# Altium PCB qfuse_PCB.PcbDoc (part 1 of 2) (continued)
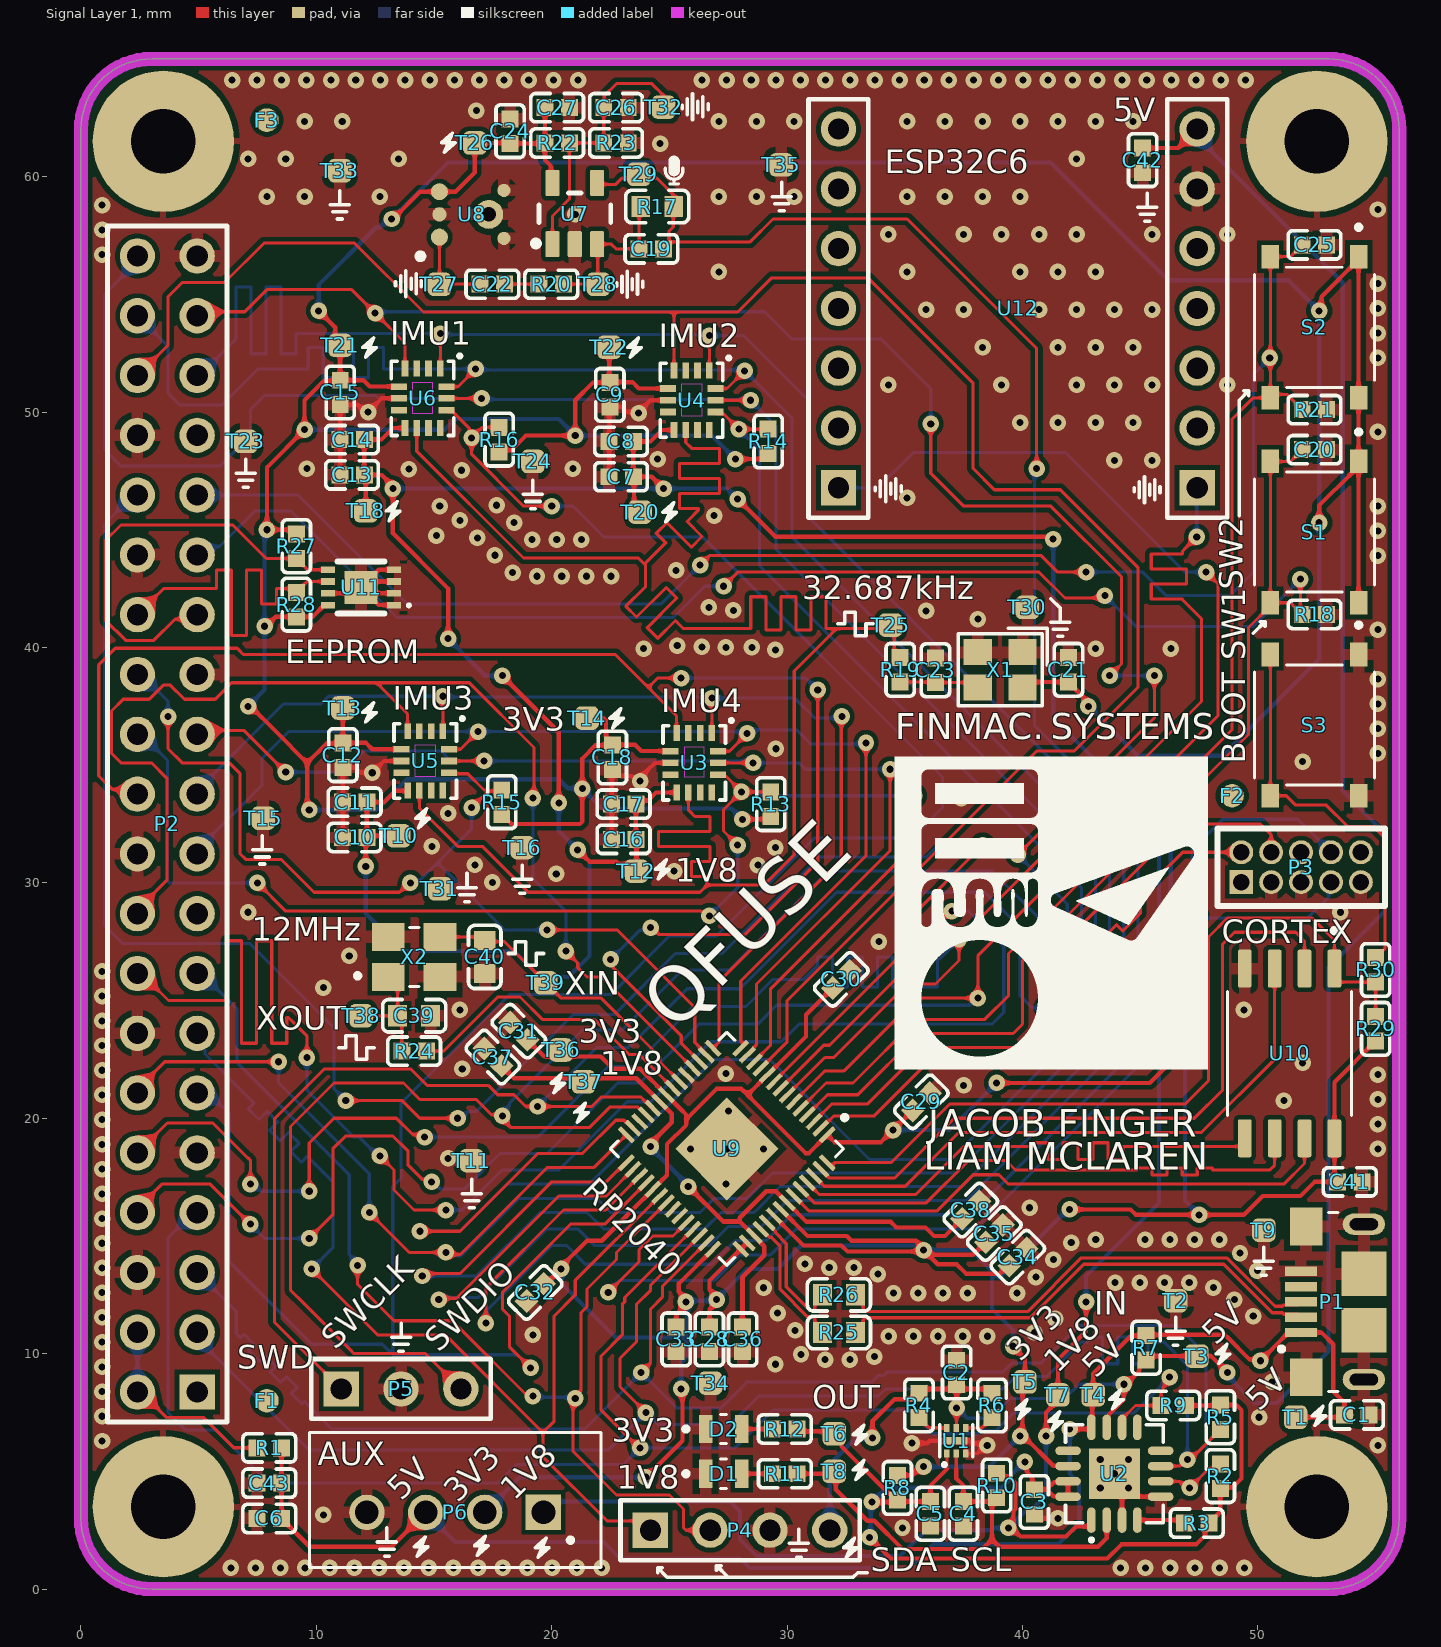
[diagram p0: Signal Layer 1 view]
## Components (designator, comment, footprint, x,y, rotation, side; value= is the part's Value field where it differs from the comment)
C1 "CL05A106MQ5NUNC" CAP-0402 54.2,7.4 r180 top value=10µF
C2 "CL05A105KA5NQNC" CAP-0402 37.2,9.2 r270 top value=1µF
C3 "CL05B104KB54PNC" CAP-0402 40.5,3.7 r90 top value=100nF
C4 "CL05A105KA5NQNC" CAP-0402 37.484,3.2 r90 top value=1µF
C5 "CL05A105KA5NQNC" CAP-0402 36.084,3.2 r90 top value=1µF
C6 "CL05A225MQ5NSNC" CAP-0402 8,3 r0 top value=2.2µF
C7 "CL05A225MQ5NSNC" CAP-0402 22.944,47.25 r0 top value=2.2µF
C8 "CL05B104KB54PNC" CAP-0402 22.944,48.75 r0 top value=100nF
C9 "CL05B103KB5NNNC" CAP-0402 22.467,50.73 r90 top value=10nF
C10 "CL05A225MQ5NSNC" CAP-0402 11.627,31.927 r0 top value=2.2µF
C11 "CL05B104KB54PNC" CAP-0402 11.627,33.427 r0 top value=100nF
C12 "CL05B103KB5NNNC" CAP-0402 11.127,35.427 r90 top value=10nF
C13 "CL05A225MQ5NSNC" CAP-0402 11.517,47.33 r0 top value=2.2µF
C14 "CL05B104KB54PNC" CAP-0402 11.517,48.83 r0 top value=100nF
C15 "CL05B103KB5NNNC" CAP-0402 11.017,50.83 r90 top value=10nF
C16 "CL05A225MQ5NSNC" CAP-0402 23.054,31.846 r0 top value=2.2µF
C17 "CL05B104KB54PNC" CAP-0402 23.054,33.346 r0 top value=100nF
C18 "CL05B103KB5NNNC" CAP-0402 22.577,35.327 r90 top value=10nF
C19 "0402CG330J500NT" CAP-0402 24.23,56.93 r0 top value=33pF
C20 "CL05B104KO5NNNC" CAP-0402 52.4,48.4 r180 top value=100nF
C21 "CL05B103KB5NNNC" CAP-0402 41.95,39.05 r270 top value=10nF
C22 "CL05A106MQ5NUNC" CAP-0402 17.48,55.43 r0 top value=10µF
C23 "CL05C100JB5NNNC" CAP-0402 36.3,39.03 r270 top value=10pF
C24 "CL05B104KB54PNC" CAP-0402 18.23,61.93 r270 top value=100nF
C25 "CL05B104KO5NNNC" CAP-0402 52.4,57.1 r180 top value=100nF
C26 "CL05A225MQ5NSNC" CAP-0402 22.73,62.93 r180 top value=2.2µF
C27 "CL05B104KB54PNC" CAP-0402 20.23,62.93 r180 top value=100nF
C28 "CL05A105KA5NQNC" CAP-0402 26.697,10.607 r90 top value=1µF
C29 "CL05B104KB54PNC" CAP-0402 35.7,20.7 r225 top value=100nF
C30 "CL05B104KB54PNC" CAP-0402 32.3,25.9 r225 top value=100nF
C31 "CL05B104KB54PNC" CAP-0402 18.6,23.7 r315 top value=100nF
C32 "CL05B104KB54PNC" CAP-0402 19.3,12.6 r45 top value=100nF
C33 "CL05B104KB54PNC" CAP-0402 25.283,10.607 r90 top value=100nF
C34 "CL05B104KB54PNC" CAP-0402 39.8,14.1 r225 top value=100nF
C35 "CL05B104KB54PNC" CAP-0402 38.8,15.1 r225 top value=100nF
C36 "CL05A105KA5NQNC" CAP-0402 28.111,10.607 r270 top value=1µF
C37 "CL05B104KB54PNC" CAP-0402 17.5,22.6 r315 top value=100nF
C38 "CL05B104KB54PNC" CAP-0402 37.8,16.1 r225 top value=100nF
C39 "0603CG300J500NT" CAP-0603 14.155,24.352 r180 top value=30pF
C40 "0603CG300J500NT" CAP-0603 17.155,26.852 r90 top value=30pF
C41 "CL05B104KB54PNC" CAP-0402 53.9,17.3 r180 top value=100nF
C42 "CL05A105KA5NQNC" CAP-0402 45.1,60.7 r90 top value=1µF
C43 "CL05A106MQ5NUNC" CAP-0402 8,4.5 r0 top value=10µF
D1 "0805 Red" NCD0805R1 27.3,4.9 r0 top
D2 "0805 WHT" LED_KT-0805G 27.3,6.8 r0 top
F1 "Fiducial Pad" Fiducial#1 7.9,8 r0 top
F2 "Fiducial Pad" Fiducial#2 48.9,33.7 r0 top
F3 "Fiducial Pad" Fiducial#3 7.9,62.4 r0 top
P1 "10118193-0001LF" FCI_10118193-0001LF 54.5,12.2 r90 top
P2 "Header 2X20" HDR2X20 3.67,29.96 r90 top locked
P3 "Header 1.27mm 2x5 PTH" "Header 1.27mm 2x5 PTH" 51.83,30.665 r0 top
P4 "Header 4" HDR1X4 28,2.5 r0 top
P5 "Header 3" HDR1X3 11.06,8.5 r0 top locked
P6 "JST B4B-XH-A" JST_B4B-XH-A 15.9,3.783 r0 top locked
R1 "0402WGF0000TCE" RES-0402 8,6 r0 top value=0
R2 "0402WGF1002TCE" RES-0402 48.4,4.8 r270 top value=10k
R3 "0402WGF0000TCE" RES-0402 47.4,2.8 r180 top value=0
R4 "0402WGF1002TCE" RES-0402 35.6,7.8 r270 top value=10k
R5 "0402WGF1002TCE" RES-0402 48.4,7.3 r90 top value=10k
R6 "0402WGF1002TCE" RES-0402 38.7,7.8 r270 top value=10k
R7 "0402WGF100KTCE" RES-0402 45.25,10.25 r270 top value=1
R8 "0402WGF100KTCE" RES-0402 34.684,4.3 r90 top value=1
R9 "0402WGF1002TCE" RES-0402 46.4,7.8 r0 top value=10k
R10 "0402WGF100KTCE" RES-0402 38.9,4.4 r90 top value=1
R11 "0402WGF3300TCE" RES-0402 29.9,4.9 r180 top value=330
R12 "0402WGF6800TCE" RES-0402 29.9,6.8 r0 top value=680
R13 "0402WGF5102TCE" RES-0402 29.304,33.346 r270 top value=51k
R14 "0402WGF5102TCE" RES-0402 29.194,48.75 r270 top value=51k
R15 "0402WGF5102TCE" RES-0402 17.877,33.427 r270 top value=51k
R16 "0402WGF5102TCE" RES-0402 17.767,48.83 r270 top value=51k
R17 "0603WAF2203T5E" RES-0603 24.48,58.73 r0 top value=220k
R18 "0402WGF1003TCE" RES-0402 52.4,41.4 r180 top value=100k
R19 "0402WGF220JTCE" RES-0402 34.8,39.05 r90 top value=22
R20 "0402WGF3301TCE" RES-0402 19.98,55.43 r0 top value=3.3k
R21 "0402WGF1003TCE" RES-0402 52.4,50.1 r180 top value=100k
R22 "0402WGF1003TCE" RES-0402 20.23,61.43 r180 top value=100k
R23 "0402WGF1003TCE" RES-0402 22.73,61.43 r180 top value=100k
R24 "0402WGF1001TCE" RES-0402 14.155,22.852 r180 top value=1k
R25 "0603WAF270JT5E" RES-0603 32.2,10.9 r180 top value=27
R26 "0603WAF270JT5E" RES-0603 32.2,12.5 r180 top value=27
R27 "0402WGF3901TCE" RES-0402 9.15,44.3 r90 top value=3.9k
R28 "0402WGF3901TCE" RES-0402 9.15,41.82 r270 top value=3.9k
R29 "0402WGF1002TCE" RES-0402 55,23.8 r270 top value=10k
R30 "0402WGF1001TCE" RES-0402 55,26.3 r270 top value=1k
S1 "TS-1187A-B-A-B" SW_TS-1187A-B-A-B 52.4,44.9 r270 top
S2 "TS-1187A-B-A-B" SW_TS-1187A-B-A-B 52.4,53.6 r270 top
S3 "TS-1187A-B-A-B" SW_TS-1187A-B-A-B 52.4,36.7 r270 top
T1 "TP" TestPoint 51.6,7.3 r270 top
T2 "TP" TestPoint 46.5,12.25 r180 top
T3 "TP" TestPoint 47.4,9.9 r180 top
T4 "TP" TestPoint 43,8.25 r180 top
T5 "TP" TestPoint 40.1,8.8 r180 top
T6 "TP" TestPoint 32,6.6 r180 top
T7 "TP" TestPoint 41.5,8.25 r180 top
T8 "TP" TestPoint 32,5 r180 top
T9 "TP" TestPoint 50.25,15.25 r0 top
T10 "TP" TestPoint 13.5,32 r270 top
T11 "TP" TestPoint 16.6,18.2 r90 top
T12 "TP" TestPoint 23.6,30.5 r270 top
T13 "TP" TestPoint 11.127,37.427 r270 top
T14 "TP" TestPoint 21.5,37 r270 top
T15 "TP" TestPoint 7.75,32.75 r270 top
T16 "TP" TestPoint 18.75,31.5 r90 top
T18 "TP" TestPoint 12.1,45.8 r270 top
T20 "TP" TestPoint 23.75,45.75 r270 top
T21 "TP" TestPoint 11.017,52.83 r270 top
T22 "TP" TestPoint 22.444,52.75 r270 top
T23 "TP" TestPoint 7,48.75 r270 top
T24 "TP" TestPoint 19.2,47.9 r90 top
T25 "TP" TestPoint 34.4,40.95 r180 top
T26 "TP" TestPoint 16.73,61.43 r90 top
T27 "TP" TestPoint 15.23,55.43 r90 top
T28 "TP" TestPoint 21.98,55.43 r90 top
T29 "TP" TestPoint 23.7,60.1 r90 top
T30 "TP" TestPoint 40.2,41.7 r180 top
T31 "TP" TestPoint 15.25,29.75 r90 top
T32 "TP" TestPoint 24.75,62.95 r90 top
T33 "TP" TestPoint 11,60.25 r90 top
T34 "TP" TestPoint 26.75,8.75 r90 top
T35 "TP" TestPoint 29.75,60.5 r90 top
T36 "TP" TestPoint 20.4,22.9 r0 top
T37 "TP" TestPoint 21.35,21.55 r0 top
T38 "TP" TestPoint 11.905,24.352 r0 top
T39 "TP" TestPoint 19.75,25.75 r0 top
U1 "TLV7163318PDPQR" XDFN-6_L1.2-W1.2-P0.40-BL-EP 37.184,6.3 r0 top
U2 "INA3221AIRGVR" QFN-16_L4.0-W4.0-P0.65-TL-EP2.2 43.9,4.9 r90 top
U3 "IMU IC" LGA-14_L3.0-W2.5-P0.50-TL 26.054,35.096 r270 top
U4 "IMU IC" LGA-14_L3.0-W2.5-P0.50-TL 25.944,50.5 r270 top
U5 "IMU IC" LGA-14_L3.0-W2.5-P0.50-TL 14.627,35.177 r270 top
U6 "IMU IC" LGA-14_L3.0-W2.5-P0.50-TL 14.517,50.58 r270 top
U7 "LMV321IDBVR" FP-DBV0005A-MFG 20.98,58.43 r90 top
U8 "S08OB383-031" Goertek_S08OB381-026 16.58,58.395 r90 top
U9 "RP2040" QFN40P700X700X90-57N 27.439,18.704 r135 top locked
U10 "W25Q128JVSIQ" SOIC127P790X216-8N 51.343,22.754 r180 top locked
U11 "M24C32-FMC6TG" M24C32-FMC6TG 11.9,42.55 r90 top
U12 "Seeed ESP32C6 Mini" "ESP32C6 Mini" 39.8,54.4 r0 top locked
X1 "OK252032.768KJBA4SL" OSC-SMD_4P-L2.5-W2.0-BL 39.05,39.05 r180 top value=32.768kHz
X2 "CMP-00002-4" X322512MSB4SI-Footprint-1 14.155,26.852 r0 top

## Footprints (in the part's own frame and the unit in brackets; to place one, negate y for a bottom-side part, rotate by r counter-clockwise, add the part's x,y. Pads: shape width x height; smd on the part's side, far side on the other; paste and mask are expansions set on the pad)
CAP-0402 [mm]
  rect 0.72x0.72 smd mask+0.051: 1(-0.52,0)
  rect 0.72x0.72 smd mask+0.05: 2(0.52,0)
  silkscreen extent -1.12,-0.6 1.12,0.6, body extent -0.55,-0.27 0.55,0.28, height 0.4
CAP-0603 [mm]
  rect 0.8x0.9 smd paste+0 mask+0.05: 1(-0.7,0) 2(0.7,0)
  silkscreen extent -1.34,-0.69 1.34,0.69, body extent -0.85,-0.45 0.85,0.45, height 0.9
"ESP32C6 Mini" [mm]
  round 1.5 hole 0.9: 0(-7.62,7.62) 1(-7.62,5.08) 2(-7.62,2.54) 3(-7.62,0) 4(-7.62,-2.54) 5(-7.62,-5.08) 8(7.62,-5.08) 9(7.62,-2.54) 10(7.62,0) 11(7.62,2.54) 12(7.62,5.08) 13(7.62,7.62)
  rect 1.5x1.5 hole 0.9: 6(-7.62,-7.62) 7(7.62,-7.62)
  silkscreen extent -8.89,-8.89 8.89,8.89, body extent -8.89,-10.41 8.89,12.07, height 12
FCI_10118193-0001LF [mm]
  rect 0.4x1.35 smd: 1(-1.3,2.675) 2(-0.65,2.675) 3(0,2.675) 4(0.65,2.675) 5(1.3,2.675)
  rect 1.6x1.4 smd: S1(-3.2,2.45) S2(3.2,2.45)
  rect 1.9x1.9 smd: S3(1.2,0) S4(-1.2,0)
  oval 0.9x1.8 hole 0.5 slot 1.2 at 90 deg: S5(-3.3,0) S6(3.3,0)
  silkscreen extent -3.8,1.1 3.8,3.6, body extent -3.93,-2.74 3.93,2.92, height 3.18
Fiducial#1 [mm]
  round 1 smd paste-2539.97 mask-2539.97: F1(0,0)
Fiducial#2 [mm]
  round 1 smd paste-2539.97 mask-2539.97: F3(0,0)
Fiducial#3 [mm]
  round 1 smd paste-2539.97 mask-2539.97: F2(0,0)
FP-DBV0005A-MFG [mm]
  rrect17% 1.1x0.6 smd paste+0: 1(-1.3,0.95) 2(-1.3,0) 3(-1.3,-0.95) 4(1.3,-0.95) 5(1.3,0.95)
  silkscreen extent -1.39,-1.53 0.87,1.78, body extent -1.95,-1.78 1.95,1.78, height 0.25
Goertek_S08OB381-026 [mm] "Goertek S08OB381-026 SMD package"
  round 0.72 smd: 1(-0.965,1.35) 4(0.965,1.35)
  round 0.56 smd: 2(-1.02,-1.39) 3(1.02,-1.39)
  round 0.61 smd: 5(0,1.35)
  round 1.22 hole 0.61: 6(0,-0.75)
  silkscreen extent -1.9,2.03 -1.65,2.28, body extent -1.5,-1.88 1.5,1.88, height 1.1
HDR1X3 [mm] "Connector; Header; 3 Position"
  rect 1.5x1.5 hole 0.9: 1(0,0)
  round 1.5 hole 0.9: 2(2.54,0) 3(5.08,0)
  silkscreen extent -1.27,-1.27 6.35,1.27
HDR1X4 [mm] "Connector; Header; 4 Position"
  rect 1.5x1.5 hole 0.9: 1(-3.81,0)
  round 1.5 hole 0.9: 2(-1.27,0) 3(1.27,0) 4(3.81,0)
  silkscreen extent -5.08,-1.27 5.08,1.27, body extent -5.33,-1.25 5.33,1.25, height 5
HDR2X20 [mm] "Connector; Header; 20x2 Position"
  rect 1.5x1.5 hole 0.9: 1(-21.59,-1.27)
  round 1.5 hole 0.9: 2(-21.59,1.27) 3(-19.05,-1.27) 4(-19.05,1.27) 5(-16.51,-1.27) 6(-16.51,1.27) 7(-13.97,-1.27) 8(-13.97,1.27) 9(-11.43,-1.27) 10(-11.43,1.27) 11(-8.89,-1.27) 12(-8.89,1.27) 13(-6.35,-1.27) 14(-6.35,1.27) 15(-3.81,-1.27) 16(-3.81,1.27) 17(-1.27,-1.27) 18(-1.27,1.27) 19(1.27,-1.27) 20(1.27,1.27) 21(3.81,-1.27) 22(3.81,1.27) 23(6.35,-1.27) 24(6.35,1.27) 25(8.89,-1.27) 26(8.89,1.27) 27(11.43,-1.27) 28(11.43,1.27) 29(13.97,-1.27) 30(13.97,1.27) 31(16.51,-1.27) 32(16.51,1.27) 33(19.05,-1.27) 34(19.05,1.27) 35(21.59,-1.27) 36(21.59,1.27) 37(24.13,-1.27) 38(24.13,1.27) 39(26.67,-1.27) 40(26.67,1.27)
  silkscreen extent -22.86,-2.54 27.94,2.54, body extent -23.11,-2.48 28.19,2.52, height 8.5
"Header 1.27mm 2x5 PTH" [mil] "Header 1.27mm pitch, 2x5, PTH through hole"
  rect 40x40 hole 28 mask+1.97: 1(-100,-25)
  round 40 hole 28 mask+1.97: 2(-100,25) 3(-50,-25) 4(-50,25) 5(0,-25) 6(0,25) 7(50,-25) 8(50,25) 9(100,-25) 10(100,25)
  silkscreen extent -140,-65 140,65, body extent -125,-67 125,67, height 236
JST_B4B-XH-A [mm] "JST 4 Pin Single Row Header"
  rect 1.508x1.508 / inner round 1.508 / far side rect 1.508x1.508 hole 1: 1(3.75,-0.525)
  round 1.508 hole 1: 2(1.25,-0.525) 3(-1.25,-0.525) 4(-3.75,-0.525)
  silkscreen extent -6.2,-2.88 6.2,2.88, body extent -6.2,-2.88 6.2,2.88, height 7
LED_KT-0805G [mm]
  rect 0.57x1.2 smd: A(0.765,0) C(-0.765,0)
  silkscreen extent -1.7,-0.63 0.13,0.63, body extent -1,-0.63 1,0.63, height 0.8
LGA-14_L3.0-W2.5-P0.50-TL [mm]
  rect 0.675x0.28 smd paste+0 mask+0.051: 1(-1.262,0.75) 2(-1.262,0.25) 3(-1.262,-0.25) 4(-1.262,-0.75) 8(1.262,-0.75) 9(1.262,-0.25) 10(1.262,0.25) 11(1.262,0.75)
  rect 0.28x0.675 smd paste+0 mask+0.051: 5(-0.5,-1.012) 6(0,-1.012) 7(0.5,-1.012) 12(0.5,1.012) 13(0,1.012) 14(-0.5,1.012)
  silkscreen extent -1.87,-1.33 1.58,1.65, body extent -1.5,-1.24 1.5,1.24, height 0.97
M24C32-FMC6TG [mm]
  rect 0.28x0.6 smd mask+0.05: 1(-0.75,-1.399) 2(-0.248,-1.399) 3(0.25,-1.399) 4(0.752,-1.399) 5(0.752,1.401) 6(0.251,1.401) 7(-0.248,1.401) 8(-0.75,1.401)
  rect 1.4x1.4 smd: 9(0,0)
  silkscreen extent -1.1,-2.1 1.1,1, body extent -1.01,-1.55 0.99,1.55, height 0.61
NCD0805R1 [mm]
  rect 0.57x1.2 smd: A(0.765,0) C(-0.765,0)
  silkscreen extent -1.7,-0.63 0.13,0.63, body extent -1,-0.63 1,0.63, height 0.8
OSC-SMD_4P-L2.5-W2.0-BL [mm]
  rect 1.2x1.1 smd paste+0 mask+0.051: 1(-0.95,-0.75) 2(0.95,-0.75) 3(0.95,0.75) 4(-0.95,0.75)
  silkscreen extent -2.01,-1.76 1.78,1.53, body extent -1.25,-1 1.25,1, height 0.65
QFN40P700X700X90-57N [mm]
  rrect25% 0.2x0.84 smd: 1(-2.6,-3.435) 2(-2.2,-3.435) 3(-1.8,-3.435) 4(-1.4,-3.435) 5(-1,-3.435) 6(-0.6,-3.435) 7(-0.2,-3.435) 8(0.2,-3.435) 9(0.6,-3.435) 10(1,-3.435) 11(1.4,-3.435) 12(1.8,-3.435) 13(2.2,-3.435) 14(2.6,-3.435) 29(2.6,3.435) 30(2.2,3.435) 31(1.8,3.435) 32(1.4,3.435) 33(1,3.435) 34(0.6,3.435) 35(0.2,3.435) 36(-0.2,3.435) 37(-0.6,3.435) 38(-1,3.435) 39(-1.4,3.435) 40(-1.8,3.435) 41(-2.2,3.435) 42(-2.6,3.435)
  rrect25% 0.84x0.2 smd: 15(3.435,-2.6) 16(3.435,-2.2) 17(3.435,-1.8) 18(3.435,-1.4) 19(3.435,-1) 20(3.435,-0.6) 21(3.435,-0.2) 22(3.435,0.2) 23(3.435,0.6) 24(3.435,1) 25(3.435,1.4) 26(3.435,1.8) 27(3.435,2.2) 28(3.435,2.6) 43(-3.435,2.6) 44(-3.435,2.2) 45(-3.435,1.8) 46(-3.435,1.4) 47(-3.435,1) 48(-3.435,0.6) 49(-3.435,0.2) 50(-3.435,-0.2) 51(-3.435,-0.6) 52(-3.435,-1) 53(-3.435,-1.4) 54(-3.435,-1.8) 55(-3.435,-2.2) 56(-3.435,-2.6)
  rect 3.1x3.1 smd paste-0.57: 57(0,0)
  silkscreen extent -3.5,-4.57 3.5,3.5, body extent -3.5,-3.5 3.5,3.5, height 0.9
QFN-16_L4.0-W4.0-P0.65-TL-EP2.2 [mil]
  oval 42.8x14.33 smd paste+0 mask+2: 1(-77.5,38.39) 2(-77.5,12.79) 3(-77.5,-12.8) 4(-77.5,-38.39) 9(77.5,-38.39) 10(77.5,-12.8) 11(77.5,12.79) 12(77.5,38.39)
  oval 14.33x42.8 smd paste+0 mask+2: 5(-38.39,-77.5) 6(-12.79,-77.5) 7(12.8,-77.5) 8(38.39,-77.5) 13(38.39,77.5) 14(12.8,77.5) 15(-12.79,77.5) 16(-38.39,77.5)
  rect 85.04x85.04 smd paste+0 mask+2: 17(0,0)
  silkscreen extent -114,-82 82,82, body extent -79,-79 79,79, height 39
RES-0402 [mm]
  rect 0.72x0.72 smd mask+0.051: 1(-0.52,0)
  rect 0.72x0.72 smd mask+0.05: 2(0.52,0)
  silkscreen extent -1.12,-0.6 1.12,0.6, body extent -0.55,-0.27 0.55,0.28, height 0.4
RES-0603 [mm]
  rect 0.8x0.9 smd paste+0 mask+0.05: 1(-0.7,0) 2(0.7,0)
  silkscreen extent -1.34,-0.69 1.34,0.69, body extent -0.85,-0.45 0.85,0.45, height 0.9
SOIC127P790X216-8N [mm]
  rrect25% 0.58x1.61 smd: 1(-1.905,-3.605) 2(-0.635,-3.605) 3(0.635,-3.605) 4(1.905,-3.605) 5(1.905,3.605) 6(0.635,3.605) 7(-0.635,3.605) 8(-1.905,3.605)
  silkscreen extent -2.64,-5.31 2.64,2.64, body extent -2.69,-4.05 2.69,4.05, height 2.16
SW_TS-1187A-B-A-B [mm]
  rect 1x0.75 smd: A(-3,1.875) B(3,1.875) C(-3,-1.875) D(3,-1.875)
  silkscreen extent -4.35,-2.55 2.55,2.55, body extent -3.25,-2.55 3.25,2.55, height 1.55
TestPoint [mm]
  rrect50% 1x1 smd: 1(0,0)
X322512MSB4SI-Footprint-1 [mm]
  rect 1.4x1.2 smd: 1(-1.1,-0.85) 2(1.1,-0.85) 3(1.1,0.85) 4(-1.1,0.85)
  silkscreen extent -2.5,-1.25 0.2,1.25, body extent -1.6,-1.25 1.6,1.25, height 0.6
XDFN-6_L1.2-W1.2-P0.40-BL-EP [mm]
  rect 0.224x0.345 smd paste+0 mask+0.035: 1(-0.4,-0.547) 2(0,-0.547) 3(0.4,-0.547) 4(0.4,0.547) 5(0,0.547) 6(-0.4,0.547)
  rect 0.94x0.3 smd paste+0 mask+0.051: 7(0,0)
  silkscreen extent -0.7,-1.09 0.7,0.68, body extent -0.6,-0.65 0.6,0.65, height 0.46

## Part data
C1 C22 C43: library part CMP-001-00141-3, "Capacitor, Ceramic (MLCC), 10uF, ±20%, 6.3V, X5R, ±20%, SMD 0402", Case/Package=0402, JLCPCB Basic Part=Yes, JLCPCB Part Number=C15525, Manufacturer="Samsung Electro-Mechanics", Temperature Coefficient=X5R, Tolerance=20%, Voltage Rating=6.3V, Category="Capacitors - MLCC", ComponentLink1Description=Datasheet, ComponentLink1URL=https://datasheet.lcsc.com/lcsc/2208231630_Samsung-Electro-Mechanics-CL05A106MQ5NUNC_C15525.pdf, ComponentLink2Description="JLCPCB Part URL", ComponentLink2URL=https://jlcpcb.com/partdetail/C15525, ComponentLink3Description="LCSC Part URL", ComponentLink3URL=https://lcsc.com/product-detail/Multilayer-Ceramic-Capacitors-MLCC---SMD-SMT_Samsung-Electro-Mechanics-Samsung-Electro-Mechanics-CL05A106MQ5NUNC_C15525.html, Design Item ID=CL05A106MQ5NUNC, Manufacturer Part Number=CL05A106MQ5NUNC, RoHS=Yes, Source=jlcpcb_capacitors_basic.schlib
C2 C4 C5 C28 C36 C42: library part CMP-001-00140-3, "Capacitor, Ceramic (MLCC), 1uF, ±10%, 25V, X5R, ±10%, SMD 0402", Case/Package=0402, JLCPCB Basic Part=Yes, JLCPCB Part Number=C52923, Manufacturer="Samsung Electro-Mechanics", Temperature Coefficient=X5R, Tolerance=10%, Voltage Rating=25V, Category="Capacitors - MLCC", ComponentLink1Description=Datasheet, ComponentLink1URL=https://datasheet.lcsc.com/lcsc/1811091611_Samsung-Electro-Mechanics-CL05A105KA5NQNC_C52923.pdf, ComponentLink2Description="JLCPCB Part URL", ComponentLink2URL=https://jlcpcb.com/partdetail/C52923, ComponentLink3Description="LCSC Part URL", ComponentLink3URL=https://lcsc.com/product-detail/Multilayer-Ceramic-Capacitors-MLCC---SMD-SMT_Samsung-Electro-Mechanics-Samsung-Electro-Mechanics-CL05A105KA5NQNC_C52923.html, Design Item ID=CL05A105KA5NQNC, Manufacturer Part Number=CL05A105KA5NQNC, RoHS=Yes, Source=jlcpcb_capacitors_basic.schlib
C3 C8 C11 C14 C17 C24 C27 C29 C30 C31 C32 C33 C34 C35 C37 C38 C41: library part CMP-001-00146-3, "Capacitor, Ceramic (MLCC), 100nF, ±10%, 50V, X7R, ±10%, SMD 0402", Case/Package=0402, JLCPCB Basic Part=Yes, JLCPCB Part Number=C307331, Manufacturer="Samsung Electro-Mechanics", Temperature Coefficient=X7R, Tolerance=10%, Voltage Rating=50V, Category="Capacitors - MLCC", ComponentLink1Description=Datasheet, ComponentLink1URL=https://datasheet.lcsc.com/lcsc/1810191222_Samsung-Electro-Mechanics-CL05B104KB54PNC_C307331.pdf, ComponentLink2Description="JLCPCB Part URL", ComponentLink2URL=https://jlcpcb.com/partdetail/C307331, ComponentLink3Description="LCSC Part URL", ComponentLink3URL=https://lcsc.com/product-detail/Multilayer-Ceramic-Capacitors-MLCC---SMD-SMT_Samsung-Electro-Mechanics-Samsung-Electro-Mechanics-CL05B104KB54PNC_C307331.html, Design Item ID=CL05B104KB54PNC, Manufacturer Part Number=CL05B104KB54PNC, RoHS=Yes, Source=jlcpcb_capacitors_basic.schlib
C6 C7 C10 C13 C16 C26: library part CMP-001-00142-3, "Capacitor, Ceramic (MLCC), 2.2uF, ±20%, 6.3V, X5R, ±20%, SMD 0402", Case/Package=0402, JLCPCB Basic Part=Yes, JLCPCB Part Number=C12530, Manufacturer="Samsung Electro-Mechanics", Temperature Coefficient=X5R, Tolerance=20%, Voltage Rating=6.3V, Category="Capacitors - MLCC", ComponentLink1Description=Datasheet, ComponentLink1URL=https://datasheet.lcsc.com/lcsc/1811021410_Samsung-Electro-Mechanics-CL05A225MQ5NSNC_C12530.pdf, ComponentLink2Description="JLCPCB Part URL", ComponentLink2URL=https://jlcpcb.com/partdetail/C12530, ComponentLink3Description="LCSC Part URL", ComponentLink3URL=https://lcsc.com/product-detail/Multilayer-Ceramic-Capacitors-MLCC---SMD-SMT_Samsung-Electro-Mechanics-Samsung-Electro-Mechanics-CL05A225MQ5NSNC_C12530.html, Design Item ID=CL05A225MQ5NSNC, Manufacturer Part Number=CL05A225MQ5NSNC, RoHS=Yes, Source=jlcpcb_capacitors_basic.schlib
C9 C12 C15 C18 C21: library part CMP-001-00145-3, "Capacitor, Ceramic (MLCC), 10nF, ±10%, 50V, X7R, ±10%, SMD 0402", Case/Package=0402, JLCPCB Basic Part=Yes, JLCPCB Part Number=C15195, Manufacturer="Samsung Electro-Mechanics", Temperature Coefficient=X7R, Tolerance=10%, Voltage Rating=50V, Category="Capacitors - MLCC", ComponentLink1Description=Datasheet, ComponentLink1URL=https://datasheet.lcsc.com/lcsc/1810191223_Samsung-Electro-Mechanics-CL05B103KB5NNNC_C15195.pdf, ComponentLink2Description="JLCPCB Part URL", ComponentLink2URL=https://jlcpcb.com/partdetail/C15195, ComponentLink3Description="LCSC Part URL", ComponentLink3URL=https://lcsc.com/product-detail/Multilayer-Ceramic-Capacitors-MLCC---SMD-SMT_Samsung-Electro-Mechanics-Samsung-Electro-Mechanics-CL05B103KB5NNNC_C15195.html, Design Item ID=CL05B103KB5NNNC, Manufacturer Part Number=CL05B103KB5NNNC, RoHS=Yes, Source=jlcpcb_capacitors_basic.schlib
C19: library part CMP-001-00127-3, "Capacitor, Ceramic (MLCC), 33pF, ±5%, 50V, C0G, ±5%, SMD 0402", Case/Package=0402, JLCPCB Basic Part=Yes, JLCPCB Part Number=C1562, Manufacturer="FH(Guangdong Fenghua Advanced Tech)", Temperature Coefficient=C0G, Tolerance=5%, Voltage Rating=50V, Category="Capacitors - MLCC", ComponentLink1Description=Datasheet, ComponentLink1URL=https://datasheet.lcsc.com/lcsc/1811141731_FH--Guangdong-Fenghua-Advanced-Tech-0402CG330J500NT_C1562.pdf, ComponentLink2Description="JLCPCB Part URL", ComponentLink2URL=https://jlcpcb.com/partdetail/C1562, ComponentLink3Description="LCSC Part URL", ComponentLink3URL=https://lcsc.com/product-detail/Multilayer-Ceramic-Capacitors-MLCC---SMD-SMT_FH-Guangdong-Fenghua-Advanced-Tech-FH-Guangdong-Fenghua-Advanced-Tech-0402CG330J500NT_C1562.html, Design Item ID=0402CG330J500NT, Manufacturer Part Number=0402CG330J500NT, RoHS=Yes, Source=jlcpcb_capacitors_basic.schlib
C20 C25: library part CMP-001-00147-3, "Capacitor, Ceramic (MLCC), 100nF, ±10%, 16V, X7R, ±10%, SMD 0402", Case/Package=0402, JLCPCB Basic Part=Yes, JLCPCB Part Number=C1525, Manufacturer="Samsung Electro-Mechanics", Temperature Coefficient=X7R, Tolerance=10%, Voltage Rating=16V, Category="Capacitors - MLCC", ComponentLink1Description=Datasheet, ComponentLink1URL=https://datasheet.lcsc.com/lcsc/1810191219_Samsung-Electro-Mechanics-CL05B104KO5NNNC_C1525.pdf, ComponentLink2Description="JLCPCB Part URL", ComponentLink2URL=https://jlcpcb.com/partdetail/C1525, ComponentLink3Description="LCSC Part URL", ComponentLink3URL=https://lcsc.com/product-detail/Multilayer-Ceramic-Capacitors-MLCC---SMD-SMT_Samsung-Electro-Mechanics-Samsung-Electro-Mechanics-CL05B104KO5NNNC_C1525.html, Design Item ID=CL05B104KO5NNNC, Manufacturer Part Number=CL05B104KO5NNNC, RoHS=Yes, Source=jlcpcb_capacitors_basic.schlib
C23: library part CMP-001-00150-3, "Capacitor, Ceramic (MLCC), 10pF, ±5%, 50V, C0G, ±5%, SMD 0402", Case/Package=0402, JLCPCB Basic Part=Yes, JLCPCB Part Number=C32949, Manufacturer="Samsung Electro-Mechanics", Temperature Coefficient=C0G, Tolerance=5%, Voltage Rating=50V, Category="Capacitors - MLCC", ComponentLink1Description=Datasheet, ComponentLink1URL=https://datasheet.lcsc.com/lcsc/1810191220_Samsung-Electro-Mechanics-CL05C100JB5NNNC_C32949.pdf, ComponentLink2Description="JLCPCB Part URL", ComponentLink2URL=https://jlcpcb.com/partdetail/C32949, ComponentLink3Description="LCSC Part URL", ComponentLink3URL=https://lcsc.com/product-detail/Multilayer-Ceramic-Capacitors-MLCC---SMD-SMT_Samsung-Electro-Mechanics-Samsung-Electro-Mechanics-CL05C100JB5NNNC_C32949.html, Design Item ID=CL05C100JB5NNNC, Manufacturer Part Number=CL05C100JB5NNNC, RoHS=Yes, Source=jlcpcb_capacitors_basic.schlib
C39 C40: library part CMP-001-00132-2, "Capacitor, Ceramic (MLCC), 30pF, ±5%, 50V, C0G, ±5%, SMD 0603", Case/Package=0603, JLCPCB Basic Part=Yes, JLCPCB Part Number=C1658, Manufacturer="FH(Guangdong Fenghua Advanced Tech)", Temperature Coefficient=C0G, Tolerance=5%, Voltage Rating=50V, Category="Capacitors - MLCC", ComponentLink1Description=Datasheet, ComponentLink1URL=https://datasheet.lcsc.com/lcsc/1810261611_FH--Guangdong-Fenghua-Advanced-Tech-0603CG300J500NT_C1658.pdf, ComponentLink2Description="JLCPCB Part URL", ComponentLink2URL=https://jlcpcb.com/partdetail/C1658, ComponentLink3Description="LCSC Part URL", ComponentLink3URL=https://lcsc.com/product-detail/Multilayer-Ceramic-Capacitors-MLCC---SMD-SMT_FH-Guangdong-Fenghua-Advanced-Tech-FH-Guangdong-Fenghua-Advanced-Tech-0603CG300J500NT_C1658.html, Design Item ID=0603CG300J500NT, Manufacturer Part Number=0603CG300J500NT, RoHS=Yes, Source=jlcpcb_capacitors_basic.schlib
D1: library part NCD0805R1, "0805 Red LED", JLCPCB Part #=C84256, Package=0805, Check_prices=https://www.snapeda.com/parts/KT-0805W/Hubei+KENTO+Elec/view-part/?ref=eda, JLCPCB Part No=C84256, LCSC Part #=C84256, MF="Foshan NationStar Optoelectronics", MP=NCD0805R1
D2: library part KT-0805W, "0805 WHT LED", JLCPCB Part #=C34499, Package=0805, JLCPCB Part No=C34499, LCSC Part #=C34499, MF="Hubei KENTO Elec", MP=KT-0805W, SnapEDA_Link=https://www.snapeda.com/parts/KT-0805W/Hubei+KENTO+Elec/view-part/?ref=snap
F1 F2 F3: library part Fiducial, "1x2mm Fiducial Pad", ClassName=Fiducial, Component Class name=Fiducial
P1: library part CMP-045-000000-8, "USB - micro B USB 2.0 Receptacle Connector 5 Position Surface Mount, Right Angle; Through Hole", JLCPCB Part=C132562, Package=None, Component Type=Standard, Design Item ID=10118193-0001LF, MF="Amphenol ICC", MP=10118193-0001LF, Pin Count=11, SnapEDA_Link=https://www.snapeda.com/parts/10118193-0001LF/Amphenol%20FCI/view-part/2758989/?ref=snap, Source=SnapEDAsch.SchLib
P2: library part HDR2X20, "Header, 20-Pin, Dual row, 2.54mm Pin Pitch", Component Type=Standard, Design Item ID="Header 20X2", LatestRevisionDate=17-Jul-2002, LatestRevisionNote="Re-released for DXP Platform.", Pin Count=40, Publisher="Altium Limited", Source="Miscellaneous Connectors.SchLib"
P3: library part CMP-005-0002-2, "Header 1.27mm pitch, 2x5, PTH through hole", Component Type=Standard, Design Item ID="Header 1.27mm 2x5 PTH", element14 Item=1577743, Pins=10, Source=JCULibrary.SchLib
P4: library part CMP-002-00124-1, "Header, 4-Pin", Component Type=Standard, Design Item ID="Header 4", LatestRevisionDate=17-Jul-2002, LatestRevisionNote="Re-released for DXP Platform.", Pin Count=4, Publisher="Altium Limited", Source="Miscellaneous Connectors.SchLib"
P5: library part CMP-002-00117-1, "Header, 3-Pin", Component Type=Standard, Design Item ID="Header 3", LatestRevisionDate=17-Jul-2002, LatestRevisionNote="Re-released for DXP Platform.", Pin Count=3, Publisher="Altium Limited", Source="Miscellaneous Connectors.SchLib"
P6: library part B4B-XH-A, "JST 4 Pin Single Row Header", Package=None, Check_prices=https://www.snapeda.com/parts/B4B-XH-A(LF)(SN)/JST+Sales+America+Inc./view-part/?ref=eda, MF="JST Sales", MP=B4B-XH-A(LF)(SN), SnapEDA_Link=https://www.snapeda.com/parts/B4B-XH-A(LF)(SN)/JST+Sales+America+Inc./view-part/?ref=snap
R1 R3: library part CMP-009-00178-4, "Resistor, 0Ω, ±1%, 62.5mW, 50V, ±800ppm/℃, -55℃~+155℃, SMD 0402", Case/Package=0402, JLCPCB Basic Part=Yes, JLCPCB Part Number=C17168, Manufacturer=Uniroyal, Power Rating=62.5mW, Temperature Coefficient=±800ppm/℃, Temperature Rating=-55℃~+155℃, Tolerance=1%, Voltage Rating=50V, Category=Resistors, ComponentLink1Description=Datasheet, ComponentLink1URL=https://datasheet.lcsc.com/lcsc/2206010216_UNI-ROYAL-Uniroyal-Elec-0402WGF0000TCE_C17168.pdf, ComponentLink2Description="JLCPCB Part URL", ComponentLink2URL=https://jlcpcb.com/partdetail/C17168, Design Item ID=0402WGF0000TCE, Manufacturer Part Number=0402WGF0000TCE, Source=jlcpcb_resistors_basic.schlib
R2 R4 R5 R6 R9 R29: library part CMP-009-00181-4, "Resistor, 10kΩ, ±1%, 62.5mW, 50V, ±100ppm/℃, -55℃~+155℃, SMD 0402", Case/Package=0402, JLCPCB Basic Part=Yes, JLCPCB Part Number=C25744, Manufacturer=Uniroyal, Power Rating=62.5mW, Temperature Coefficient=±100ppm/℃, Temperature Rating=-55℃~+155℃, Tolerance=1%, Voltage Rating=50V, Category=Resistors, ComponentLink1Description=Datasheet, ComponentLink1URL=https://datasheet.lcsc.com/lcsc/2206010100_UNI-ROYAL-Uniroyal-Elec-0402WGF1002TCE_C25744.pdf, ComponentLink2Description="JLCPCB Part URL", ComponentLink2URL=https://jlcpcb.com/partdetail/C25744, Design Item ID=0402WGF1002TCE, Manufacturer Part Number=0402WGF1002TCE, Source=jlcpcb_resistors_basic.schlib
R7 R8 R10: library part CMP-009-00186-4, "Resistor, 1Ω, ±1%, 62.5mW, 50V, ±200ppm/℃, -55℃~+155℃, SMD 0402", Case/Package=0402, JLCPCB Basic Part=Yes, JLCPCB Part Number=C25086, Manufacturer=Uniroyal, Power Rating=62.5mW, Temperature Coefficient=±200ppm/℃, Temperature Rating=-55℃~+155℃, Tolerance=1%, Voltage Rating=50V, Category=Resistors, ComponentLink1Description=Datasheet, ComponentLink1URL=https://datasheet.lcsc.com/lcsc/2205311900_UNI-ROYAL-Uniroyal-Elec-0402WGF100KTCE_C25086.pdf, ComponentLink2Description="JLCPCB Part URL", ComponentLink2URL=https://jlcpcb.com/partdetail/C25086, Design Item ID=0402WGF100KTCE, Manufacturer Part Number=0402WGF100KTCE, Source=jlcpcb_resistors_basic.schlib
R11: library part CMP-009-00210-4, "Resistor, 330Ω, ±1%, 62.5mW, 50V, ±100ppm/℃, -55℃~+155℃, SMD 0402", Case/Package=0402, JLCPCB Basic Part=Yes, JLCPCB Part Number=C25104, Manufacturer=Uniroyal, Power Rating=62.5mW, Temperature Coefficient=±100ppm/℃, Temperature Rating=-55℃~+155℃, Tolerance=1%, Voltage Rating=50V, Category=Resistors, ComponentLink1Description=Datasheet, ComponentLink1URL=https://datasheet.lcsc.com/lcsc/2205311900_UNI-ROYAL-Uniroyal-Elec-0402WGF3300TCE_C25104.pdf, ComponentLink2Description="JLCPCB Part URL", ComponentLink2URL=https://jlcpcb.com/partdetail/C25104, Design Item ID=0402WGF3300TCE, Manufacturer Part Number=0402WGF3300TCE, Source=jlcpcb_resistors_basic.schlib
R12: library part CMP-009-00231-4, "Resistor, 680Ω, ±1%, 62.5mW, 50V, ±100ppm/℃, -55℃~+155℃, SMD 0402", Case/Package=0402, JLCPCB Basic Part=Yes, JLCPCB Part Number=C25130, Manufacturer=Uniroyal, Power Rating=62.5mW, Temperature Coefficient=±100ppm/℃, Temperature Rating=-55℃~+155℃, Tolerance=1%, Voltage Rating=50V, Category=Resistors, ComponentLink1Description=Datasheet, ComponentLink1URL=https://datasheet.lcsc.com/lcsc/2205311900_UNI-ROYAL-Uniroyal-Elec-0402WGF6800TCE_C25130.pdf, ComponentLink2Description="JLCPCB Part URL", ComponentLink2URL=https://jlcpcb.com/partdetail/C25130, Design Item ID=0402WGF6800TCE, Manufacturer Part Number=0402WGF6800TCE, Source=jlcpcb_resistors_basic.schlib
R13 R14 R15 R16: library part CMP-009-00226-4, "Resistor, 51kΩ, ±1%, 62.5mW, 50V, ±100ppm/℃, -55℃~+155℃, SMD 0402", Case/Package=0402, JLCPCB Basic Part=Yes, JLCPCB Part Number=C25794, Manufacturer=Uniroyal, Power Rating=62.5mW, Temperature Coefficient=±100ppm/℃, Temperature Rating=-55℃~+155℃, Tolerance=1%, Voltage Rating=50V, Category=Resistors, ComponentLink1Description=Datasheet, ComponentLink1URL=https://datasheet.lcsc.com/lcsc/2206010100_UNI-ROYAL-Uniroyal-Elec-0402WGF5102TCE_C25794.pdf, ComponentLink2Description="JLCPCB Part URL", ComponentLink2URL=https://jlcpcb.com/partdetail/C25794, Design Item ID=0402WGF5102TCE, Manufacturer Part Number=0402WGF5102TCE, Source=jlcpcb_resistors_basic.schlib
R17: library part CMP-009-00277-2, "Resistor, 220kΩ, ±1%, 100mW, 75V, ±100ppm/℃, -55℃~+155℃, SMD 0603", Case/Package=0603, JLCPCB Basic Part=Yes, JLCPCB Part Number=C22961, Manufacturer=Uniroyal, Power Rating=100mW, Temperature Coefficient=±100ppm/℃, Temperature Rating=-55℃~+155℃, Tolerance=1%, Voltage Rating=75V, Category=Resistors, ComponentLink1Description=Datasheet, ComponentLink1URL=https://datasheet.lcsc.com/lcsc/2206010130_UNI-ROYAL-Uniroyal-Elec-0603WAF2203T5E_C22961.pdf, ComponentLink2Description="JLCPCB Part URL", ComponentLink2URL=https://jlcpcb.com/partdetail/C22961, Design Item ID=0603WAF2203T5E, Manufacturer Part Number=0603WAF2203T5E, Source=jlcpcb_resistors_basic.schlib
R18 R21 R22 R23: library part CMP-009-00182-4, "Resistor, 100kΩ, ±1%, 62.5mW, 50V, ±100ppm/℃, -55℃~+155℃, SMD 0402", Case/Package=0402, JLCPCB Basic Part=Yes, JLCPCB Part Number=C25741, Manufacturer=Uniroyal, Power Rating=62.5mW, Temperature Coefficient=±100ppm/℃, Temperature Rating=-55℃~+155℃, Tolerance=1%, Voltage Rating=50V, Category=Resistors, ComponentLink1Description=Datasheet, ComponentLink1URL=https://datasheet.lcsc.com/lcsc/2206010100_UNI-ROYAL-Uniroyal-Elec-0402WGF1003TCE_C25741.pdf, ComponentLink2Description="JLCPCB Part URL", ComponentLink2URL=https://jlcpcb.com/partdetail/C25741, Design Item ID=0402WGF1003TCE, Manufacturer Part Number=0402WGF1003TCE, Source=jlcpcb_resistors_basic.schlib
R19: library part CMP-009-00204-4, "Resistor, 22Ω, ±1%, 62.5mW, 50V, ±200ppm/℃, -55℃~+155℃, SMD 0402", Case/Package=0402, JLCPCB Basic Part=Yes, JLCPCB Part Number=C25092, Manufacturer=Uniroyal, Power Rating=62.5mW, Temperature Coefficient=±200ppm/℃, Temperature Rating=-55℃~+155℃, Tolerance=1%, Voltage Rating=50V, Category=Resistors, ComponentLink1Description=Datasheet, ComponentLink1URL=https://datasheet.lcsc.com/lcsc/2205311900_UNI-ROYAL-Uniroyal-Elec-0402WGF220JTCE_C25092.pdf, ComponentLink2Description="JLCPCB Part URL", ComponentLink2URL=https://jlcpcb.com/partdetail/C25092, Design Item ID=0402WGF220JTCE, Manufacturer Part Number=0402WGF220JTCE, Source=jlcpcb_resistors_basic.schlib
R20: library part CMP-009-00211-4, "Resistor, 3.3kΩ, ±1%, 62.5mW, 50V, ±100ppm/℃, -55℃~+155℃, SMD 0402", Case/Package=0402, JLCPCB Basic Part=Yes, JLCPCB Part Number=C25890, Manufacturer=Uniroyal, Power Rating=62.5mW, Temperature Coefficient=±100ppm/℃, Temperature Rating=-55℃~+155℃, Tolerance=1%, Voltage Rating=50V, Category=Resistors, ComponentLink1Description=Datasheet, ComponentLink1URL=https://datasheet.lcsc.com/lcsc/2206010045_UNI-ROYAL-Uniroyal-Elec-0402WGF3301TCE_C25890.pdf, ComponentLink2Description="JLCPCB Part URL", ComponentLink2URL=https://jlcpcb.com/partdetail/C25890, Design Item ID=0402WGF3301TCE, Manufacturer Part Number=0402WGF3301TCE, Source=jlcpcb_resistors_basic.schlib
R24 R30: library part CMP-009-00180-4, "Resistor, 1kΩ, ±1%, 62.5mW, 50V, ±100ppm/℃, -55℃~+155℃, SMD 0402", Case/Package=0402, JLCPCB Basic Part=Yes, JLCPCB Part Number=C11702, Manufacturer=Uniroyal, Power Rating=62.5mW, Temperature Coefficient=±100ppm/℃, Temperature Rating=-55℃~+155℃, Tolerance=1%, Voltage Rating=50V, Category=Resistors, ComponentLink1Description=Datasheet, ComponentLink1URL=https://datasheet.lcsc.com/lcsc/2206010216_UNI-ROYAL-Uniroyal-Elec-0402WGF1001TCE_C11702.pdf, ComponentLink2Description="JLCPCB Part URL", ComponentLink2URL=https://jlcpcb.com/partdetail/C11702, Design Item ID=0402WGF1001TCE, Manufacturer Part Number=0402WGF1001TCE, Source=jlcpcb_resistors_basic.schlib
R25 R26: library part CMP-009-00289-2, "Resistor, 27Ω, ±1%, 100mW, 75V, ±200ppm/℃, -55℃~+155℃, SMD 0603", Case/Package=0603, JLCPCB Basic Part=Yes, JLCPCB Part Number=C25190, Manufacturer=Uniroyal, Power Rating=100mW, Temperature Coefficient=±200ppm/℃, Temperature Rating=-55℃~+155℃, Tolerance=1%, Voltage Rating=75V, Category=Resistors, ComponentLink1Description=Datasheet, ComponentLink1URL=https://datasheet.lcsc.com/lcsc/2205311845_UNI-ROYAL-Uniroyal-Elec-0603WAF270JT5E_C25190.pdf, ComponentLink2Description="JLCPCB Part URL", ComponentLink2URL=https://jlcpcb.com/partdetail/C25190, Design Item ID=0603WAF270JT5E, Manufacturer Part Number=0603WAF270JT5E, Source=jlcpcb_resistors_basic.schlib
R27 R28: library part CMP-009-00215-4, "Resistor, 3.9kΩ, ±1%, 62.5mW, 50V, ±100ppm/℃, -55℃~+155℃, SMD 0402", Case/Package=0402, JLCPCB Basic Part=Yes, JLCPCB Part Number=C51721, Manufacturer=Uniroyal, Power Rating=62.5mW, Temperature Coefficient=±100ppm/℃, Temperature Rating=-55℃~+155℃, Tolerance=1%, Voltage Rating=50V, Category=Resistors, ComponentLink1Description=Datasheet, ComponentLink1URL=https://datasheet.lcsc.com/lcsc/2206010000_UNI-ROYAL-Uniroyal-Elec-0402WGF3901TCE_C51721.pdf, ComponentLink2Description="JLCPCB Part URL", ComponentLink2URL=https://jlcpcb.com/partdetail/C51721, Design Item ID=0402WGF3901TCE, Manufacturer Part Number=0402WGF3901TCE, Source=jlcpcb_resistors_basic.schlib
S1 S2 S3: library part CMP-015-000000-1, "SPST 50mA @ 12VDC Top Actuated Round Button 160gf SMD Tactile Switches RoHS", JLCPCB Part=C318884, Package=None, Availability=Unavailable, Component Type=Standard, Design Item ID=TS-1187A-B-A-B, MP=TS-1187A-B-A-B, Pin Count=4, Price=None, Source=TS-1187A-B-A-B.SchLib
T1 T2 T3 T4 T5 T6 T7 T8 T9 T10 T11 T12 T13 T14 T15 T16 T18 T20 T21 T22 T23 T24 T25 T26 T27 T28 T29 T30 T31 T32 T33 T34 T35 T36 T37 T38 T39: library part TestPoint
U1: "Texas Instruments - TLV7163318PDPQR / 150mA Fixed Positive electrode 5.5V X2SON-6(1.2x1.2) Voltage Regulators - Linear, Low Drop Out (LDO) Regulators ROHS", JLCPCB #=C669098
U2: JLCPCB Part Class="Extended Part", Manufacturer=TI(德州仪器), Add into BOM=yes, Convert to PCB=yes, Datasheet=https://www.ti.com/cn/lit/gpn/ina3221, Device=INA3221AIRGVR, LCSC Part Name=INA3221AIRGVR, Manufacturer Part=INA3221AIRGVR, Supplier=LCSC, Supplier Footprint=QFN-16-EP(4x4), Supplier Part=C181255, Symbol=INA3221AIRGVR
U3 U4 U5 U6: library part ICM-42688-P, "ICM-42688-P LGA-14(2.5x3) Attitude Sensor/Gyroscope", JLCPCB Part #=C1850418, JLCPCB Part Class="Extended Part", Manufacturer="TDK InvenSense(应美盛)", Add into BOM=yes, Convert to PCB=yes, Datasheet=https://atta.szlcsc.com/upload/public/pdf/source/20210703/CF24204867ACE5B754A2B035F23E5931.pdf, Device=ICM-42688-P, LCSC Part #=C1850418, LCSC Part Name=ICM-42688-P, Manufacturer Part=ICM-42688-P, Sensor Type=加速度计陀螺仪, Supplier=LCSC, Supplier Footprint=LGA-14(2.5x3), Supplier Part=C1850418, Symbol=ICM-42688-P
U7: library part CMP-00012-2, "General Purpose Amplifier 1 Circuit Rail-to-Rail SOT-23-5", Case/Package=SOT-23-5, Input Bias Current=250nA, Input Offset Voltage (Vos)=7mV, JLCPCB Part=C7972, Max Operating Temperature=125°C, Max Supply Voltage=5.5V, Min Operating Temperature=-40°C, Min Supply Voltage=2.7V, Nominal Supply Current=250uA, Operating Supply Current=130uA, Output current=160mA, Package Quantity=1, Power Supply Rejection Ratio (PSRR)=50dB, Voltage Gain=100dB, Amplifier Type="GENERAL PURPOSE", Bandwidth=1MHz, Common Mode Rejection Ratio=50dB, Contact Plating=Tin,Matte, Gain Bandwidth Product=1MHz, Lead Free="Lead Free", Mount="Surface Mount", Number of Amplifiers=1, Number of Channels=1, Number of Circuits=1, Number of Elements=1, Number of Pins=5, Output Current per Channel=160mA, Packaging="Tape and Reel", Radiation Hardening=No, REACH SVHC="No SVHC", RoHS Compliant=Yes, Series=-, Slew Rate=1V/µs, Supply Current=250uA, Technology=BICMOS, Unity Gain Bandwidth Product=1MHz
U8: library part CMP-00027-00000-1, "MEMS Microphone SMD 3.76x3x1.1mm", JLCPCB Part=C233789
U9: library part CMP-043-000000-5, "ARM Cortex-M0+ MCU 32-Bit Microcontroller for Raspberry Pi Pico", JLCPCB Part=C2040, Package=None, Availability=Available, Component Type=Standard, Design Item ID=RP2040, MP=RP2040, Pin Count=57, Price=None, Source=RP2040.SchLib
U10: library part CMP-031-00006-4, "FLASH - NOR Memory IC 128Mb (16M x 8) SPI - Quad I/O, QPI, DTR 133 MHz 8-SOIC", JLCPCB Part=C97521, Package="SOIC-8 Winbond", Availability="In Stock", Check_prices=https://www.snapeda.com/parts/W25Q128JVSIQ/Winbond+Electronics/view-part/?ref=eda, Component Type=Standard, Design Item ID=W25Q128JVSIQ, MF="Winbond Electronics", MP=W25Q128JVSIQ, Pin Count=8, Price=None, Purchase-URL=https://pricing.snapeda.com/search/part/W25Q128JVSIQ/?ref=eda, SnapEDA_Link=https://www.snapeda.com/parts/W25Q128JVSIQ/Winbond+Electronics/view-part/?ref=snap, Source=W25Q128JVSIQ.SchLib
U11: "STMicroelectronics M24C32-FMC6TG - UFDFPN-8(2x3) - 32Kbit I2C UFDFPN-8(2x3) EEPROM ROHS"
U12: library part "ESP32C6 Mini"
X1: "YXC Crystal Oscillators - OK252032.768KJBA4SL - SMD2520-4P - 1.8V~3.3V ±10ppm 5mA ±20ppm CMOS 32.768kHz SMD2520-4P Crystal Oscillators ROHS", Frequency Stability(Full temperature range)=±30ppm, JLCPCB Part #=C669098, JLCPCB Part Class="Extended Part", Manufacturer=HELE(台湾加高), Operating Temperature=-30℃~+85℃, Supply Current (Max)=3mA, Supply Voltage=3.3V, Add into BOM=yes, Convert to PCB=yes, Datasheet=https://atta.szlcsc.com/upload/public/pdf/source/20190430/C253914_C770A64EFF6E6E62846100D666617C6C.pdf, Device=OK252032.768KJBA4SL, LCSC Part #=C669098, LCSC Part Name=OK252032.768KJBA4SL, Manufacturer Part=OK252032.768KJBA4SL, Supplier=LCSC, Supplier Footprint=SMD2520-4P, Supplier Part=C669098, Symbol=OK252032.768KJBA4SL
X2: library part CMP-003-00030-1, "12MHz SMD Crystal Resonator 20pF ±10ppm ±30ppm -40℃~+85℃ SMD3225-4P  Crystals ROHS Yangxing Tech", Frequency=12MHz, JLCPCB Part=C9002, Load Capacitance=20pF, Design Item ID=CMP-00002-4, Max ESR="80 Ω", Source=SCH_LIB_Assignment1.SchLib

## Free pads (board coordinates)
  round 6 hole 2.75: 6(3.5,61.5) 7(52.5,61.5) 8(52.5,3.5) 9(3.5,3.5)

## Via types
v1: diameter 0.7, hole 0.3, Signal Layer 1 to Signal Layer 2, 427 vias

## Nets (pads, with @x,y where several pads share a name; then routed paths per layer and width w, separated by ;. In a path a pad name is that pad's centre, name@x,y a point inside that pad or via, vN(x,y) a via of type N, cw(c..) or ccw(c..) an arc to the next point about the centre after c; other vN are vias at no path point)
"+1.1V MCU": C36.1 C37.2 C38.2 T37.1 U9.23 U9.45 U9.50 | length 31.6
  Signal Layer 1 w0.18: U9.50@30.01,16.416 30.826,15.6 34.4,15.6 34.638,15.362 35.879,15.362 36.241,15 36.7,15 C38.2@37.432,15.732
  Signal Layer 1 w0.2: C37.2@17.868,22.232 18.4,21.7 21.2,21.7 T37.1@21.35,21.55 21.5,21.7 23.594,21.7 U9.23@24.586,20.708 25.1,20.194 25.1,19.835 24.2,18.935 v1(24.2,18.8) ; v1@25.8,17.1 27.286,15.614 27.983,15.614 ; C36.1@28.111,11.127 28.1,11.138 28.1,13.247 29.03,14.178 29.03,14.567 U9.45@28.595,15.002 27.983,15.614 ; U9.50@30.01,16.416 29.526,16.9 29.103,16.9 27.983,15.78 27.983,15.614
  Signal Layer 2 w0.2: v1(24.2,18.8) 24.2,18.75 25.8,17.15 v1(25.8,17.1)
"+1.8V OUT": C4.2 R10.1 R11.1 T8.1 U1.2 U2.2 | length 21.4
  Signal Layer 1 w0.131: 37.184,5.1 U1.2@37.184,5.752
  Signal Layer 1 w0.18: R11.1@30.42,4.9 30.6,4.9 31.4,4.9 T8.1@31.9,4.9 ; T8.1@31.917,4.9 31.917,4.917 T8.1@32,5 32.065,4.935 32.065,4.235 33.4,2.9 33.7,2.9 34.9,1.7 38.289,1.7 38.7,2.111 ; 37.184,5.1 37.184,4.7 37.484,4.4 C4.2@37.484,3.72 R10.1@38.74,3.72 ; R10.1@38.9,3.88 38.7,3.68 38.7,2.111 ; U2.2@43.575,2.931 43.575,2.175 43.2,1.8 39.011,1.8 38.7,2.111
"+1.8V VDD": C7.2 C8.2 C10.2 C11.2 C13.2 C14.2 C16.2 C17.2 P6.1 R10.2 T7.1 T10.1 T12.1 T18.1 T20.1 U2.1 U3.8 U4.8 U5.8 U6.8 | length 168.1
  Signal Layer 1 w0.18: v1(12.1,30.7) 12.1,31.88 C10.2@12.147,31.927 ; T18.1@12.1,45.8 12.1,47.267 C13.2@12.037,47.33 ; T10.1@13.5,32 12.22,32 C10.2@12.147,31.927 ; U6.8@13.767,49.318 13.255,49.318 12.767,48.83 C14.2@12.037,48.83 C13.2@12.037,47.33 ; U5.8@13.877,33.915 13.365,33.915 12.877,33.427 C11.2@12.147,33.427 C10.2@12.147,31.927 ; v1(15.6,40.375) 15.6,42.5 13.25,44.85 v1(13.25,46.75) 13.25,46.859 12.779,47.33 C13.2@12.037,47.33 ; v1(17.9,38.8) 20.3,36.4 v1(20.3,33.4) ; v1(21.1,31.4) 21.6,30.9 22.74,30.9 22.83,30.81 23.29,30.81 T12.1@23.468,30.632 ; C16.2@23.574,31.846 C17.2@23.574,33.346 23.725,33.498 24.098,33.498 24.434,33.834 U3.8@25.303,33.834 ; T12.1@23.6,30.5 T12.1@23.468,30.632 ; C16.2@23.6,31.82 23.6,30.764 T12.1@23.468,30.632 ; T20.1@23.75,45.75 23.5,46 23.5,47.214 C7.2@23.464,47.25 ; v1(24.75,46.75) 24.746,46.75 24.246,47.25 C7.2@23.464,47.25 ; U4.8@25.194,49.238 24.682,49.238 24.194,48.75 C8.2@23.464,48.75 C7.2@23.464,47.25 ; v1(27.9,46.3) 29.5,44.7 40.935,44.7 ; R10.2@38.9,4.92 39.045,4.775 39.425,4.775 39.7,4.5 39.7,3.41 39.61,3.319 39.61,2.75 39.46,2.6 v1(39.4,2.6) ; v1@39.56,2.581 39.908,2.233 41.852,2.233 42.279,2.66 42.84,2.66 42.925,2.745 U2.1@42.925,2.931 ; 40.935,44.699 41.201,44.699 v1(41.3,44.6) ; v1(41,6.5) 41,7.5 T7.1@41.75,8.25 ; T7.1@41.5,8.25 41.5,9.75 42.7,10.95 v1(42.7,12.2)
  Signal Layer 2 w0.18: v1(12.1,30.7) 12.1,28.7 13.7,27.1 18.4,27.1 19.5,26 20.7,26 21.6,26.9 21.6,30.9 20.3,32.2 v1(20.3,33.4) ; v1(13.25,46.75) v1(24.75,46.75) 27.45,46.75 v1(27.9,46.3) ; v1(15.6,40.375) 17.175,38.8 v1(17.9,38.8) ; P6.1@19.65,3.258 20.117,3.725 27.575,3.725 28,3.3 28,2.1 28.7,1.4 34.8,1.4 35.9,2.5 38.69,2.5 38.78,2.59 39.39,2.59 40.199,3.399 40.4,3.399 41,3.999 v1(41,6.5) ; v1(41.3,44.6) 41.3,37 45.8,32.5 45.8,16.4 42.7,13.3 v1(42.7,12.2)
"+3.3V OUT": C3.2 C5.2 R2.2 R3.1 R5.2 R8.1 R9.2 R12.2 T6.1 U1.1 U2.15 U2.16 | length 47.9
  Signal Layer 1 w0.131: 36.784,5.1 U1.1@36.784,5.752
  Signal Layer 1 w0.18: R12.2@30.333,6.7 31.7,6.7 T6.1@32,6.4 ; T6.1@32,6.6 32,6.374 32.139,6.374 32.311,6.202 32.311,6.063 34.324,4.05 34.414,4.05 R8.1@34.684,3.78 R8.1@34.7,3.764 ; v1(33.5,2.2) 34.4,1.3 43.6,1.3 44.2,1.9 47.374,1.9 47.75,2.275 47.75,2.63 48.4,3.28 R2.2@48.4,4.28 48.445,4.325 48.925,4.325 49.3,4.7 49.3,7.6 49.08,7.82 R5.2@48.4,7.82 48.38,7.8 R9.2@46.92,7.8 ; v1(33.6,3.7) 34.636,3.7 R8.1@34.7,3.764 ; 36.784,5.1 36.084,4.4 C5.2@36.084,3.72 34.744,3.72 R8.1@34.7,3.764 ; v1(40.1,5.4) 40.188,5.312 40.188,4.971 40.414,4.745 40.414,4.406 40.5,4.32 C3.2@40.5,4.22 40.514,4.234 41.025,4.234 41.33,4.54 41.896,4.54 U2.15@41.932,4.575 U2.16@41.932,3.925 41.914,3.943 41.309,3.943 41.017,4.234
  Signal Layer 2 w0.18: v1(33.5,2.2) 33.55,2.25 33.55,3.65 v1(33.6,3.7) ; v1@33.608,3.708 34.2,4.3 39.1,4.3 39.498,4.698 39.498,4.825 40.073,5.4 v1(40.1,5.4)